# KiCad board ulx4m_panel.kicad_pcb (continued)
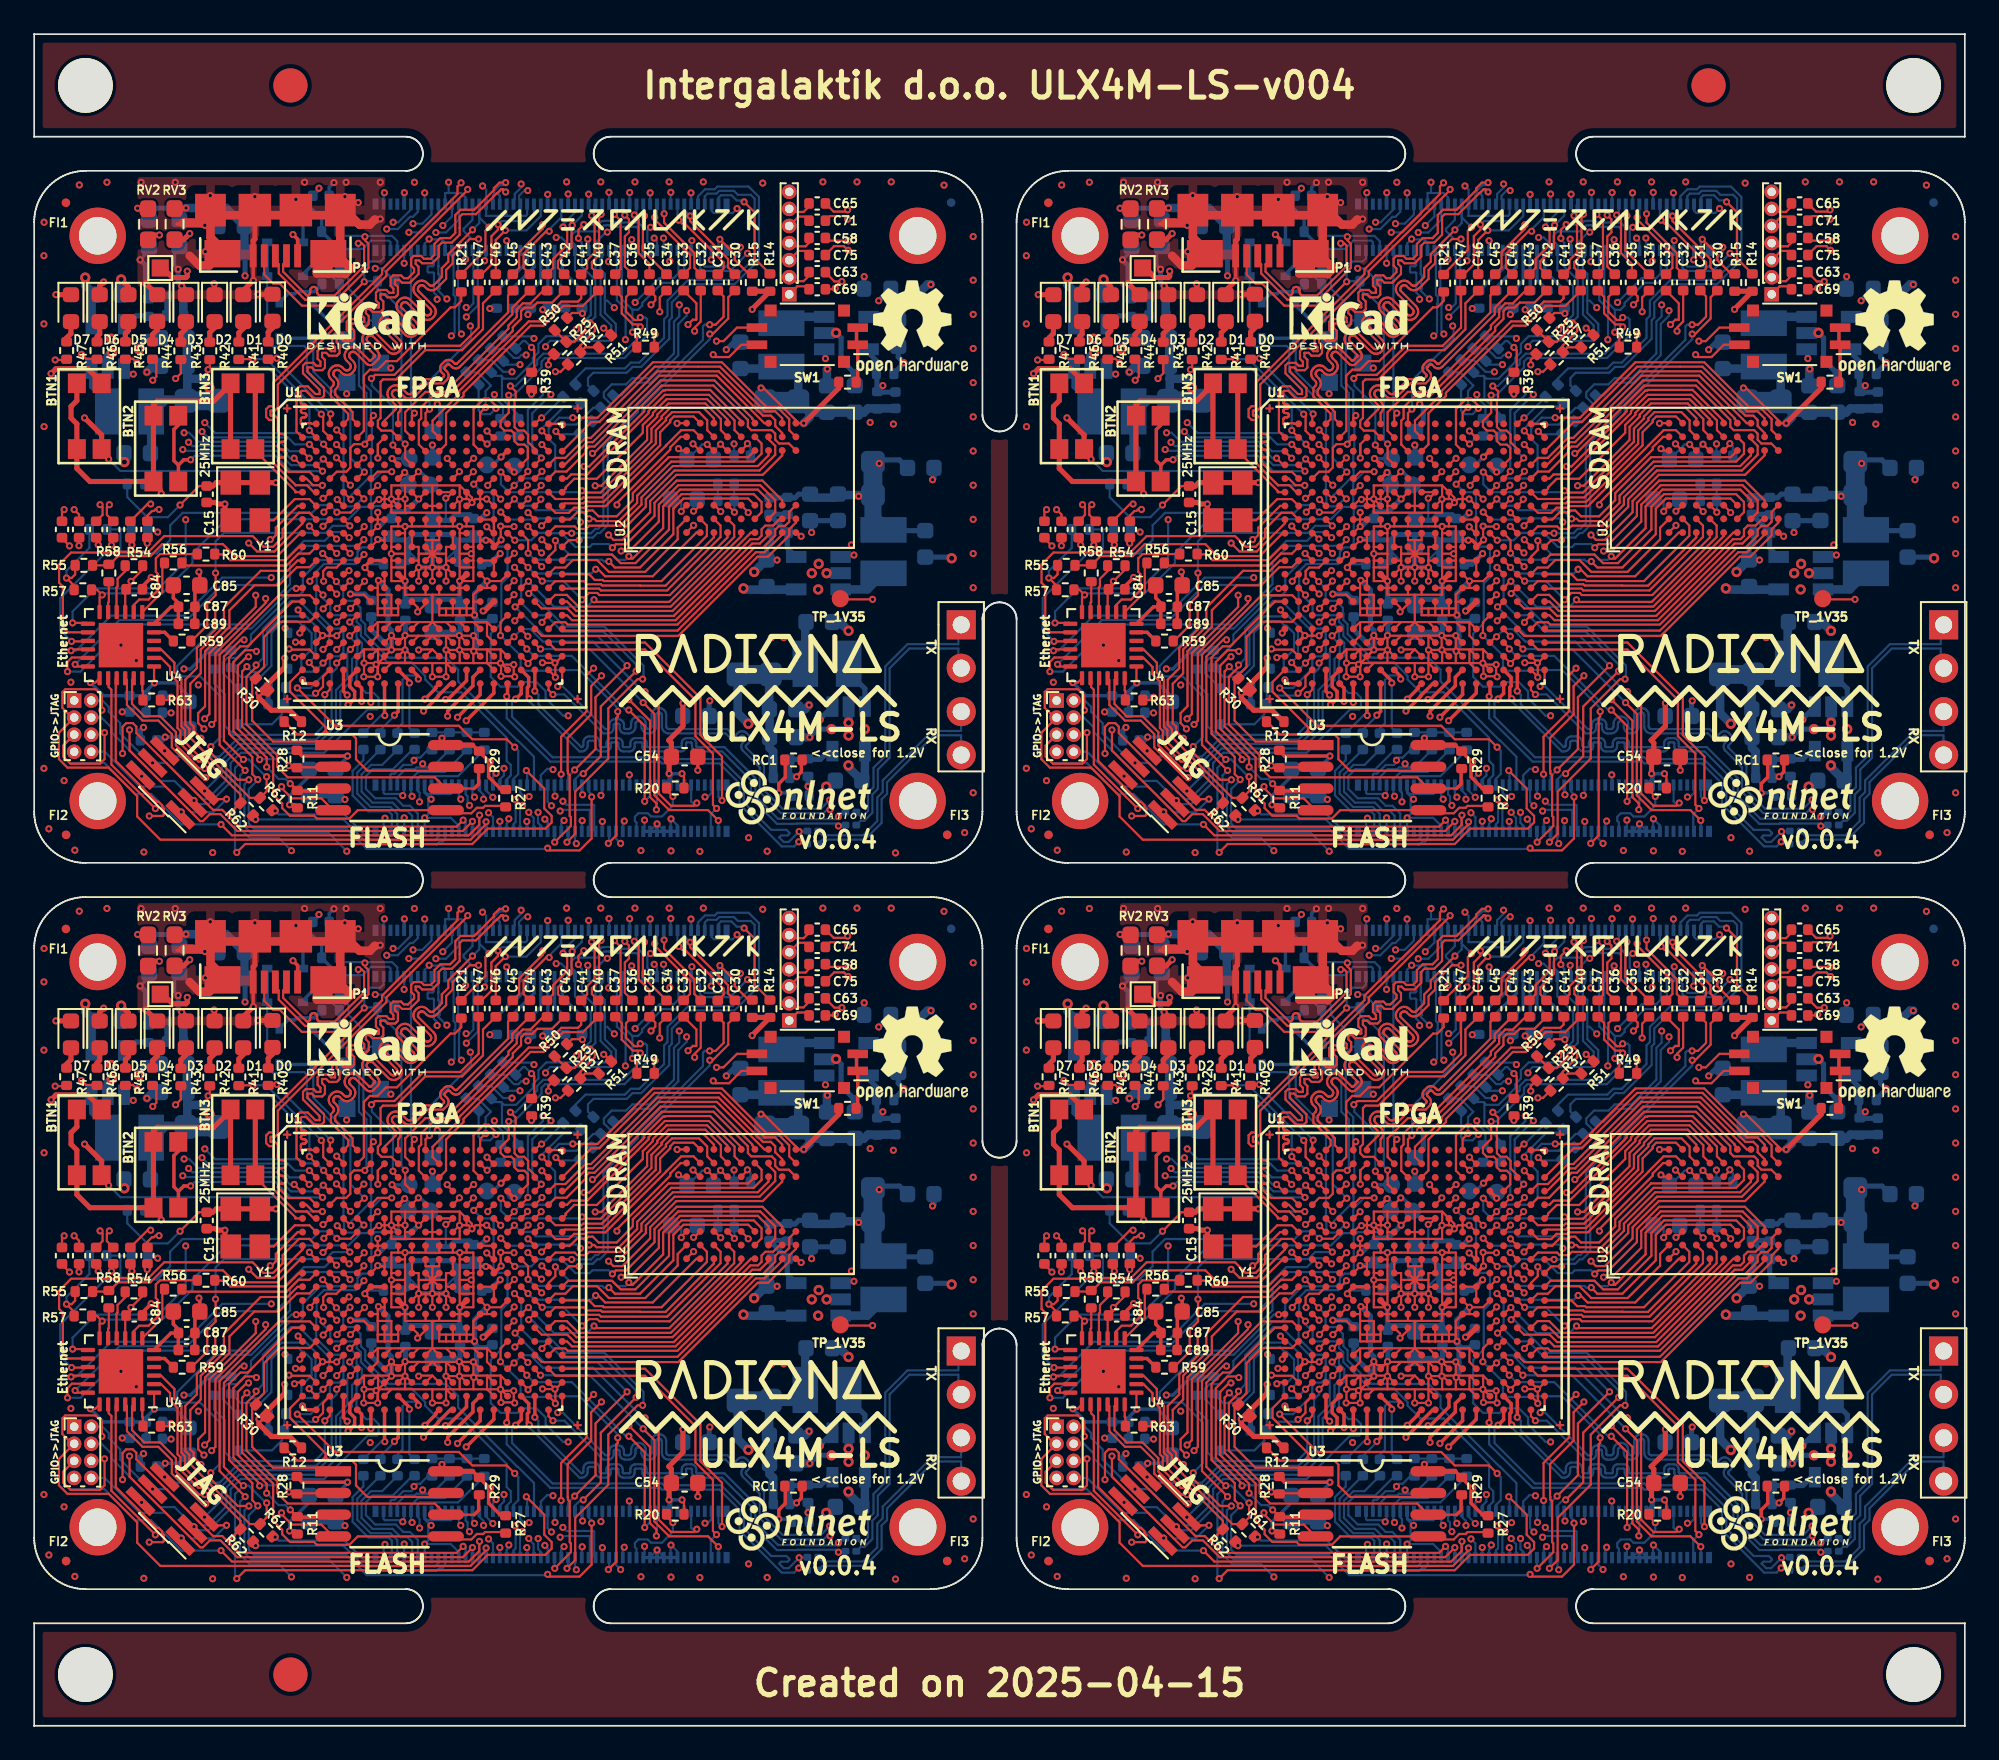
[diagram p0: board, top side]
## Placement (name value [footprint] x y rotation side) (continued)
RV2#3  0  [R_0603_1608Metric_Pad0.98x0.95mm_HandSolder]  6.67 45.38 90 top  (not fitted)
RV2#4  0  [R_0603_1608Metric_Pad0.98x0.95mm_HandSolder]  64.18 45.38 90 top  (not fitted)
RV3  0  [R_0603_1608Metric_Pad0.98x0.95mm_HandSolder]  65.73 45.39 270 top
RV3#2  0  [R_0603_1608Metric_Pad0.98x0.95mm_HandSolder]  8.22 87.89 270 top
RV3#3  0  [R_0603_1608Metric_Pad0.98x0.95mm_HandSolder]  8.22 45.39 270 top
RV3#4  0  [R_0603_1608Metric_Pad0.98x0.95mm_HandSolder]  65.73 87.89 270 top
SW1  SW_DIP_x02  [SW_DIP_SPSTx02_Slide_Copal_CVS-02xB_W5.9mm_P1mm]  45.26 38.83 180 top
SW1#2  SW_DIP_x02  [SW_DIP_SPSTx02_Slide_Copal_CVS-02xB_W5.9mm_P1mm]  102.77 38.83 180 top
SW1#3  SW_DIP_x02  [SW_DIP_SPSTx02_Slide_Copal_CVS-02xB_W5.9mm_P1mm]  102.77 81.33 180 top
SW1#4  SW_DIP_x02  [SW_DIP_SPSTx02_Slide_Copal_CVS-02xB_W5.9mm_P1mm]  45.26 81.33 180 top
TP_1V35  1V35  [Testpoint_smd_1mm]  104.7 23.42 0 top  (not fitted)
TP_1V35#2  1V35  [Testpoint_smd_1mm]  47.19 23.42 0 top  (not fitted)
TP_1V35#3  1V35  [Testpoint_smd_1mm]  104.7 65.92 0 top  (not fitted)
TP_1V35#4  1V35  [Testpoint_smd_1mm]  47.19 65.92 0 top  (not fitted)
TP_C16  C16  [Testpoint_smd_1mm]  84.01 73.85 0 bottom  (not fitted)
TP_C16#2  C16  [Testpoint_smd_1mm]  26.5 31.35 0 bottom  (not fitted)
TP_C16#3  C16  [Testpoint_smd_1mm]  26.5 73.85 0 bottom  (not fitted)
TP_C16#4  C16  [Testpoint_smd_1mm]  84.01 31.35 0 bottom  (not fitted)
TP_D8  D8  [Testpoint_smd_1mm]  79.46 74.21 0 bottom  (not fitted)
TP_D8#2  D8  [Testpoint_smd_1mm]  79.46 31.71 0 bottom  (not fitted)
TP_D8#3  D8  [Testpoint_smd_1mm]  21.95 74.21 0 bottom  (not fitted)
TP_D8#4  D8  [Testpoint_smd_1mm]  21.95 31.71 0 bottom  (not fitted)
TP_D16  D16  [Testpoint_smd_1mm]  85.62 73.78 0 bottom  (not fitted)
TP_D16#2  D16  [Testpoint_smd_1mm]  85.62 31.28 0 bottom  (not fitted)
TP_D16#3  D16  [Testpoint_smd_1mm]  28.11 31.28 0 bottom  (not fitted)
TP_D16#4  D16  [Testpoint_smd_1mm]  28.11 73.78 0 bottom  (not fitted)
TP_E8  E8  [Testpoint_smd_1mm]  79.41 72.7 0 bottom  (not fitted)
TP_E8#2  E8  [Testpoint_smd_1mm]  79.41 30.2 0 bottom  (not fitted)
TP_E8#3  E8  [Testpoint_smd_1mm]  21.9 72.7 0 bottom  (not fitted)
TP_E8#4  E8  [Testpoint_smd_1mm]  21.9 30.2 0 bottom  (not fitted)
TP_E9  E9  [Testpoint_smd_1mm]  80.68 72.68 0 bottom  (not fitted)
TP_E9#2  E9  [Testpoint_smd_1mm]  23.17 72.68 0 bottom  (not fitted)
TP_E9#3  E9  [Testpoint_smd_1mm]  80.68 30.18 0 bottom  (not fitted)
TP_E9#4  E9  [Testpoint_smd_1mm]  23.17 30.18 0 bottom  (not fitted)
U1  LFE5U-85F-6BG381C  [BGA-381_pitch0.8mm_dia0.4mm]  80.82 26.1 0 top
U1#2  LFE5U-85F-6BG381C  [BGA-381_pitch0.8mm_dia0.4mm]  23.31 68.6 0 top
U1#3  LFE5U-85F-6BG381C  [BGA-381_pitch0.8mm_dia0.4mm]  23.31 26.1 0 top
U1#4  LFE5U-85F-6BG381C  [BGA-381_pitch0.8mm_dia0.4mm]  80.82 68.6 0 top
U2  -  [IS42S16320D-6BLI]  41.39 30.54 90 top
U2#2  -  [IS42S16320D-6BLI]  41.39 73.04 90 top
U2#3  -  [IS42S16320D-6BLI]  98.9 73.04 90 top
U2#4  -  [IS42S16320D-6BLI]  98.9 30.54 90 top
U3  IS25LP128F-JBLE  [SOA008-150-208mil]  20.8 55.49 0 top
U3#2  IS25LP128F-JBLE  [SOA008-150-208mil]  78.31 55.49 0 top
U3#3  IS25LP128F-JBLE  [SOA008-150-208mil]  78.31 12.99 0 top
U3#4  IS25LP128F-JBLE  [SOA008-150-208mil]  20.8 12.99 0 top
U4  LAN8720A  [QFN-24-1EP_4x4mm_P0.5mm_EP2.6x2.6mm]  5.08 63.25 180 top
U4#2  LAN8720A  [QFN-24-1EP_4x4mm_P0.5mm_EP2.6x2.6mm]  62.59 63.25 180 top
U4#3  LAN8720A  [QFN-24-1EP_4x4mm_P0.5mm_EP2.6x2.6mm]  5.08 20.75 180 top
U4#4  LAN8720A  [QFN-24-1EP_4x4mm_P0.5mm_EP2.6x2.6mm]  62.59 20.75 180 top
U5  TLV62569DBV  [TSOT-25]  105.19 15.85 0 bottom
U5#2  TLV62569DBV  [TSOT-25]  105.19 58.35 0 bottom
U5#3  TLV62569DBV  [TSOT-25]  47.68 58.35 0 bottom
U5#4  TLV62569DBV  [TSOT-25]  47.68 15.85 0 bottom
U6  TLV62569DBV  [TSOT-25]  61.82 38.23 180 bottom
U6#2  TLV62569DBV  [TSOT-25]  4.31 38.23 180 bottom
U6#3  TLV62569DBV  [TSOT-25]  4.31 80.73 180 bottom
U6#4  TLV62569DBV  [TSOT-25]  61.82 80.73 180 bottom
U7  TLV62569DBV  [TSOT-25]  105.06 39.01 90 bottom
U7#2  TLV62569DBV  [TSOT-25]  105.06 81.51 90 bottom
U7#3  TLV62569DBV  [TSOT-25]  47.55 39.01 90 bottom
U7#4  TLV62569DBV  [TSOT-25]  47.55 81.51 90 bottom
U8  TLV62569DBV  [TSOT-25]  45.91 67.46 270 bottom  (not fitted)
U8#2  TLV62569DBV  [TSOT-25]  45.91 24.96 270 bottom  (not fitted)
U8#3  TLV62569DBV  [TSOT-25]  103.42 24.96 270 bottom  (not fitted)
U8#4  TLV62569DBV  [TSOT-25]  103.42 67.46 270 bottom  (not fitted)
Y1  FNETHE025  [Crystal_SMD_TXC_7M-4Pin_3.2x2.5mm]  12.36 29.16 270 top
Y1#2  FNETHE025  [Crystal_SMD_TXC_7M-4Pin_3.2x2.5mm]  12.36 71.66 270 top
Y1#3  FNETHE025  [Crystal_SMD_TXC_7M-4Pin_3.2x2.5mm]  69.87 29.16 270 top
Y1#4  FNETHE025  [Crystal_SMD_TXC_7M-4Pin_3.2x2.5mm]  69.87 71.66 270 top

## Library data of the parts
1.1V_1 1.1V_1#2-1.1V_1#4 C77 C77#2-C77#4 C91 C91#2-C91#4 C92 C92#2-C92#4 C93 C93#2-C93#4 C94 C94#2-C94#4 C95 C95#2-C95#4 C96 C96#2-C96#4 C97 C97#2-C97#4 C98 C98#2-C98#4 FI1 FI1#2-FI1#4 FI2 FI2#2-FI2#4 FI3 FI3#2-FI3#4 FI4 FI4#2-FI4#4 FI5 FI5#2-FI5#4 FI6 FI6#2-FI6#4 H1 H1#2-H1#4 H2 H2#2-H2#4 H3 H3#2-H3#4 J3 J3#2-J3#4 J4 J4#2-J4#4 J5 J5#2-J5#4 J6 J6#2-J6#4 RA4 RA4#2-RA4#4 TP_1V35 TP_1V35#2-TP_1V35#4 TP_C16 TP_C16#2-TP_C16#4 TP_D8 TP_D8#2-TP_D8#4 TP_D16 TP_D16#2-TP_D16#4 TP_E8 TP_E8#2-TP_E8#4 TP_E9 TP_E9#2-TP_E9#4 = -: PLACE: DNP
BTN1 BTN1#2-BTN1#4 BTN2 BTN2#2-BTN2#4 BTN3 BTN3#2-BTN3#4 = -: Datasheet: https://www.mouser.in/datasheet/2/315/PANA_S_A0001791376_1-2560543.pdf; Mouser: https://www.mouser.in/ProductDetail/Panasonic/EVP-AA302K?qs=qvwOHSmaRMmnf4H35tvzww==; DigiKey: https://www.digikey.com/en/products/detail/panasonic-electronic-components/EVP-AA302K/2810555
C1 C1#2-C1#4 = -: MPN: CC0805ZKY5V5BB226; Mouser: 81-GRM21BR61A226ME1L; Mouse_r2: 81-GRM21BR61A226ME1K; Mouse_r3: 81-GRM219R61C226ME5L; Mouse_r4: 81-GRM188C60J226ME0J; Mouse_r5: 963-LMK212BBJ226MG-T; Digikey: 1276-2413-1-ND; Digike_y2: 1276-2412-1-ND; Newark: 08P5169; LCSC: C29277; Koncar: FC004
C2 C2#2-C2#4 = -: MNF1_URL: www.yageo.com; MPN: CS0603KRX7R9BB471; Mouser: 581-06035A101JAT4A; Mouse_r1: 710-885012206081; Mouse_r2: 603-CS0603KRX79BB471; Mouse_r3: 603-CC603JRNPO9BN101; Mouse_r4: 603-CC603KRX7R9BB471; Digikey: 311-4078-1-ND; Digike_y2: 399-9086-1-ND; Newark: 38K9273; LCSC: C14665; LCS_C2: C22396; Koncar: FC006
C5 C5#2-C5#4 C9 C9#2-C9#4 = -: MPN: CC0805ZKY5V5BB226
C13 C13#2-C13#4 C14 C14#2-C14#4 C15 C15#2-C15#4 C18 C18#2-C18#4 C21 C21#2-C21#4 C26 C26#2-C26#4 C29 C29#2-C29#4 C39 C39#2-C39#4 C48 C48#2-C48#4 C49 C49#2-C49#4 C50 C50#2-C50#4 C51 C51#2-C51#4 C52 C52#2-C52#4 C53 C53#2-C53#4 C79 C79#2-C79#4 C80 C80#2-C80#4 C81 C81#2-C81#4 C82 C82#2-C82#4 = -: MPN: CX0603MRX7R8BB223
C25 C25#2-C25#4 = -: MPN: CC0603JRX7R8BB223; Mouser: 603-CC603KRX7R7BB223; Mouse_r1: 603-CC603JRX7R8BB223; Mouse_r2: 603-AC603KRX7R7BB223; Mouse_r3: 710-885012206091; price1500_Mouser: 35.7$; Digikey: 587-1238-1-ND; Digike_y2: 1276-2000-1-ND; Newark: 82AC9346; LCSC: C107137; Koncar: FC003
C27 C27#2-C27#4 C28 C28#2-C28#4 = -: MNF1_URL: www.yageo.com; MPN: CX0603MRX7R8BB223
C38 C38#2-C38#4 = -: MPN: CC0805MRX5R6BB225
C54 C54#2-C54#4 = -: MNF1_URL: www.yageo.com; MPN: CC0805MRX5R6BB225
C76 C76#2-C76#4 = -: MPN: CC0805ZKY5V5BB226; PLACE: DNP
D0 D0#2-D0#4 D4 D4#2-D4#4 = -: Datasheet: https://optoelectronics.liteon.com/upload/download/DS-22-99-0150/LTST-C170KRKT.pdf; MNF1_URL: www.liteon.com; MPN: LTST-C170KRKT; Mouser: 859-LTST-C170KRKT; Mouse_r1: 859-LTST-C171KRKT; Mouse_r2: 743-IN-S85ATR; Mouse_r3: 645-598-8110-107F; Digikey: 160-1415-1-ND; Newark: 75R0581; Newar_k2: 61AC0090; LCSC: C94868; price400_LCSC: 0.0195$; Koncar: FV007; Side: TB
D1 D1#2-D1#4 D5 D5#2-D5#4 = -: Datasheet: https://optoelectronics.liteon.com/upload/download/DS-22-99-0185/LTST-C170KFKT.pdf; MNF1_URL: www.liteon.com; MPN: LTST-C170KFKT; Mouser: 859-LTST-C170KFKT; Mouse_r1: 859-LTST-C171KFKT; Mouse_r3: 645-598-8130-107F; Digikey: 160-1413-1-ND; Newark: 75R0583; Newar_k2: 61AC0088; LCSC: C284931; price200_LCSC: 0.02075$; LowCost: LTST-C170KRKT; Koncar: FV006; Side: T
D2 D2#2-D2#4 D6 D6#2-D6#4 = -: Datasheet: http://optoelectronics.liteon.com/upload/download/DS22-2000-073/LTST-C170KGKT.pdf; MNF1_URL: www.liteon.com; MPN: LTST-C170TGKT; Mouser: 859-LTST-C170TGKT; Digikey: 160-1887-1-ND; Newark: 75R0588; LCSC: C364562; TME: LTST-C170TGKT; price300_TME: 0.0789$; LowCost: LTST-C170KRKT; Koncar: FV005; Side: T
D3 D3#2-D3#4 D7 D7#2-D7#4 = -: Datasheet: http://optoelectronics.liteon.com/upload/download/DS-22-99-0226/LTST-C170TBKT.pdf; MNF1_URL: www.liteon.com; MPN: LTST-C170TBKT; Datasheet2: http://optoelectronics.liteon.com/upload/download/ds22-2000-233/ltst-c171tbkt(0630).pdf; MP_N2: LTST-C171TBKT; Datasheet3: https://www.rohm.com/datasheet/SML-M13UT; MP_N3: SMLMN2BCTT86C; Mouser: 859-LTST-C170TBKT; Mouse_r1: 593-LSM0805463V; Mouse_r2: 755-SMLMN2BCTT86C; Mouse_r3: 859-LTST-C171TBKT; Digikey: 160-1579-1-ND; Newark: 94T2911; Newar_k2: 19J8850; LCSC: C375453; price300_LCSC: 0.02930$; LowCost: LTST-C170KRKT; Koncar: FV004; Side: T
D8 D8#2-D8#4 D9 D9#2-D9#4 = -: Datasheet: http://www.taiwansemi.com/products/datasheet/BZT52C2V4S%20SERIES_H1709.pdf; MNF1_URL: www.taiwansemi.com; MPN: BZT52C3V6S; Mouser: 833-BZT52C3V6S-TP
D28 D28#2-D28#4 = -: Note: Leave empty; EMPTY_MPN: MMDL914T1G; Mouse_r: 863-MMDL914T1G; Digike_y: 1N4148WXTPMSCT-ND; Koncar: FV001
H4 H4#2-H4#4 RP2 RP2#2-RP2#4 RP3 RP3#2-RP3#4 RP4 RP4#2-RP4#4 = -: Note: Leave empty; PLACE: DNP
J1 J1#2-J1#4 J2 J2#2-J2#4 = -: MAXIMUM_PACKAGE_HEIGHT: 1.29mm; MANUFACTURER: Hirose Electric; PARTREV: 02/2020; STANDARD: Manufacturer Recommendations
L1 L1#2-L1#4 = -: Datasheet: http://psearch.en.murata.com/inductor/product/DFE252012PD-2R2M%23.pdf; MFG1: Murata; MNF1_URL: www.murata.com; MPN: DFE322512F-2R2M=P2; MFG2: Murata; MNF2_URL: www.murata.com; MP_N2: DFE252012P-2R2M=P2; MFG3: Bourns; MNF3_URL: www.bourns.com; MP_N3: SRP2512A-2R2M; MFG4: Chilisin Elec; MP_N4: HEI322512A-2R2M-Q8; MP_N5: 81-LQH32PB2R2NN0L; Mouser: 81-DFE322512F-2R2MP2; Mouse_r1: 710-74479299222; Mouse_r2: 810-TFM322512ALMA2R2; Mouse_r3: 81-DFE322520FD2R2MP2; Digikey: 445-TFM322512ALMA2R2MTAACT-ND; Digike_y1: 490-18405-1-ND; Digike_y2: 490-10649-1-ND; Newark: 57AC6667; Vertical: DFE322512F-2R2M=P2; price300_Vertical: 0.48360$; LCSC: C285758; LCS_C2: C285914; price300_LCSC: 0.1082$; DatasheetLC: https://datasheet.octopart.com/LQH32PB2R2NN0L-Murata-datasheet-20916646.pdf; LowCost: 81-DFE252012P-2R2MP2; Koncar: FL001
L2 L2#2-L2#4 L3 L3#2-L3#4 = -: Datasheet: http://psearch.en.murata.com/inductor/product/DFE252012PD-2R2M%23.pdf
L4 L4#2-L4#4 = -: Datasheet: http://psearch.en.murata.com/inductor/product/DFE252012PD-2R2M%23.pdf; PLACE: DNP
R11 R11#2-R11#4 = -: MNF1_URL: www.yageo.com; MPN: RC0603FR-0710KL; Mouser: 603-RC0603FR-0710KL; Digikey: 311-10KLMCT-ND; Newark: 94X1379; LCSC: C15401; Koncar: FR013
R30 R30#2-R30#4 = -: MNF1_URL: www.yageo.com; MPN: AC0603FR-104K7L
R61 R61#2-R61#4 R62 R62#2-R62#4 = -: Manufacturer: BOURNS; MPN: CR0402-FX-1001GLF
R64 R64#2-R64#4 R65 R65#2-R65#4 R66 R66#2-R66#4 R67 R67#2-R67#4 = -: Manufacturer: BOURNS; MPN: CR0402-FX-1001GLF; Val: 75
RA1 RA1#2-RA1#4 = -: MNF1_URL: www.yageo.com; MPN: RC0603FR-1015KL
RB1 RB1#2-RB1#4 RC2 RC2#2-RC2#4 = -: MNF1_URL: www.yageo.com; MPN: RC0603FR-1018KL; Mouser: 71-CRCW060318K0FKEAC; Digikey: 311-18.0KHRCT-ND; Newark: 94X1474; LCSC: C425614; Koncar: FR006
RB2 RB2#2-RB2#4 = -: MPN: AC0603FR-104K7L
RB3 RB3#2-RB3#4 = -: MNF1_URL: www.yageo.com; MPN: RT0603FRE073K3L; Mouser: 603-RC0603FR-073K3L; Mouse_r2: 603-RC0603FR-103K3L; Digikey: YAG3605CT-ND; Newark: 94X1577; LCSC: C425629; Koncar: FR009
RB4 RB4#2-RB4#4 = -: MNF1_URL: www.yageo.com; MPN: RT0603FRE073K3L; Mouser: 603-RC0603FR-073K3L; Mouse_r2: 603-RC0603FR-103K3L; Digikey: YAG3605CT-ND; Newark: 94X1577; LCSC: C425629; Koncar: FR009; PLACE: DNP
RC1 RC1#2-RC1#4 = -: MNF1_URL: www.yageo.com; MPN: RC0603FR-1018KL; Mouser: 71-CRCW060318K0FKEAC; Digikey: 311-18.0KHRCT-ND; Newark: 94X1474; LCSC: C425614; Koncar: FR006; PLACE: DNP
RP1 RP1#2-RP1#4 = -: Mouser_URL: www.mouser.com; MNF1_URL: www.yageo.com; EMPTY_MPN: RC0805JR-070RL; Mouse_r1: 71-RCG08050000Z0EA; Mouse_r2: 603-RC0805JR-070RL; Mouse_r3: 652-CR0805-J/-000ELF; Digike_y1: YAG1327CT-ND; Note: Leave empty; PLACE: DNP
RV2 RV2#2-RV2#4 = -: MNF1_URL: www.yageo.com; EMPTY_MPN: RC0805JR-070RL; Note: Leave empty; PLACE: DNP
RV3 RV3#2-RV3#4 = -: MNF1_URL: www.yageo.com; MPN: RC0805JR-070RL; Mouser: 71-RCG08050000Z0EA; Digikey: YAG1327CT-ND; Newark: 74AC1409; LCSC: C112378; Koncar: FR014; Side: T
U1 U1#2-U1#4 = -: Datasheet: http://www.latticesemi.com/~/media/LatticeSemi/Documents/DataSheets/ECP5/FPGA-DS-02012.pdf; MNF1_URL: www.latticesemi.com; Mouser_URL: www.mouser.com; MFG1: Lattice; MFG2: Lattice; MNF2_URL: www.latticesemi.com; MP_N2: LFE5U-12F-6BG381C; Mouser: 842-LFE5U85F6BG381C; price100_Mouse: 22.82$; Digikey: 220-2177-ND; Digike_y2: 220-2071-ND; LCSC: C446029; LowCost: 842-LFE5U12F6BG381C; Koncar: FU004; Side: T
U3 U3#2-U3#4 = -: Datasheet: http://www.issi.com/WW/pdf/25LP-WP128F.pdf; MNF1_URL: www.issi.com; MNF2_URL: www.issi.com; Datasheet2: http://www.issi.com/WW/pdf/25LP-WP032D.pdf; MPN2: IS25LP032D-JNLE-TR; MNF3_URL: www.issi.com; MPN3: IS25LP032D-JNLA3; Dtasheet4: https://www.winbond.com/resource-files/w25q128jv%20spi%20revc%2011162016.pdf; MNF4_URL: www.winbond.com; MPN4: W25Q128JVSIM; Mouser: 727-S25FL128LAMFV013; Mouse_r2: 454-W25Q128JVSIMTR; Mouse_r3: 454-W25Q128JVSIQTR; Digikey: W25Q128JVSIQCT-ND; Digike_y2: IS25LP128F-JBLE-ND; Digike_y3: 706-1607-1-ND; Newark: 38AC3510; LCSC: C113767; price100_LCSC: 0.7796$; LowCost: 870-IS25LP032DJBLETR; Koncar: FU003
U4 U4#2-U4#4 = -: Datasheet: http://ww1.microchip.com/downloads/en/DeviceDoc/8720a.pdf
U5 U5#2-U5#4 = -: Datasheet: http://www.ti.com/lit/ds/symlink/tlv62569.pdf; MFG1: TI; MNF1_URL: www.ti.com; MPN: TLV62569DBVR; MFG2: DIOO; MNF2_URL: www.dioo.com; MPN2: DIO6015BCST5; Mouse_r1: 595-TLV62569DBVR; Mouser: 595-TLV62569DBVT; Mouse_r3: 453-DIO6015BCST5; Mouse_r4: 595-TLV62565DBVR; Digikey: 296-47360-1-ND; Newark: 54AH1585; LCSC: C141836; price100_LCSC: 0.1843$; DatasheetLC: http://www.dioo.com/attachments/files/20161031180022_361.pdf; LowCost: 453-DIO6015BCST5; Koncar: FU009
U6 U6#2-U6#4 U7 U7#2-U7#4 = -: Datasheet: http://www.ti.com/lit/ds/symlink/tlv62569.pdf; MNF1_URL: www.ti.com; MPN: TLV62569DBVR; Mouser: 595-TLV62569DBVR
U8 U8#2-U8#4 = -: Datasheet: http://www.ti.com/lit/ds/symlink/tlv62569.pdf; MNF1_URL: www.ti.com; MPN: TLV62569DBVR; Mouser: 595-TLV62569DBVR; PLACE: DNP
Y1 Y1#2-Y1#4 = -: Datasheet: https://www.diodes.com/assets/Datasheets/FNETHE025.pdf; MNF1_URL: www.diodes.com; MPN2: SiT8008BC-81-33E-25.000000X; MNF3_URL: https://datasheet.lcsc.com/szlcsc/1912111437_Shenzhen-SCTF-Elec-S7D25-000000D20F30T_C387026.pdf; MPN3: S7D25.000000D20F30T; Mouser: 729-FNETHE025; Mouse_r2: 788-8008BC8133E25X; Digikey: FNETHE025CT-ND; Newark: 80AC8624; LCSC: C390569; price100_Digikey: 0.7942$; Koncar: FQ001; Side: T

## Footprints (pads in the part's own frame, mm; a bottom-side part is the same pattern mirrored in y, then rotated)
BGA-381_pitch0.8mm_dia0.4mm
  round 0.4 smd: A2(-6.8,7.6) A3(-6,7.6) A4(-5.2,7.6) A5(-4.4,7.6) A6(-3.6,7.6) A7(-2.8,7.6) A8(-2,7.6) A9(-1.2,7.6) A10(-0.4,7.6) A11(0.4,7.6) A12(1.2,7.6) A13(2,7.6) A14(2.8,7.6) A15(3.6,7.6) A16(4.4,7.6) A17(5.2,7.6) A18(6,7.6) A19(6.8,7.6) B1(-7.6,6.8) B2(-6.8,6.8) B3(-6,6.8) B4(-5.2,6.8) B5(-4.4,6.8) B6(-3.6,6.8) B7(-2.8,6.8) B8(-2,6.8) B9(-1.2,6.8) B10(-0.4,6.8) B11(0.4,6.8) B12(1.2,6.8) B13(2,6.8) B14(2.8,6.8) B15(3.6,6.8) B16(4.4,6.8) B17(5.2,6.8) B18(6,6.8) B19(6.8,6.8) B20(7.6,6.8) C1(-7.6,6) C2(-6.8,6) C3(-6,6) C4(-5.2,6) C5(-4.4,6) C6(-3.6,6) C7(-2.8,6) C8(-2,6) C9(-1.2,6) C10(-0.4,6) C11(0.4,6) C12(1.2,6) C13(2,6) C14(2.8,6) C15(3.6,6) C16(4.4,6) C17(5.2,6) C18(6,6) C19(6.8,6) C20(7.6,6) D1(-7.6,5.2) D2(-6.8,5.2) D3(-6,5.2) D4(-5.2,5.2) D5(-4.4,5.2) D6(-3.6,5.2) D7(-2.8,5.2) D8(-2,5.2) D9(-1.2,5.2) D10(-0.4,5.2) D11(0.4,5.2) D12(1.2,5.2) D13(2,5.2) D14(2.8,5.2) D15(3.6,5.2) D16(4.4,5.2) D17(5.2,5.2) D18(6,5.2) D19(6.8,5.2) D20(7.6,5.2) E1(-7.6,4.4) E2(-6.8,4.4) E3(-6,4.4) E4(-5.2,4.4) E5(-4.4,4.4) E6(-3.6,4.4) E7(-2.8,4.4) E8(-2,4.4) E9(-1.2,4.4) E10(-0.4,4.4) E11(0.4,4.4) E12(1.2,4.4) E13(2,4.4) E14(2.8,4.4) E15(3.6,4.4) E16(4.4,4.4) E17(5.2,4.4) E18(6,4.4) E19(6.8,4.4) E20(7.6,4.4) F1(-7.6,3.6) F2(-6.8,3.6) F3(-6,3.6) F4(-5.2,3.6) F5(-4.4,3.6) F6(-3.6,3.6) F7(-2.8,3.6) F8(-2,3.6) F9(-1.2,3.6) F10(-0.4,3.6) F11(0.4,3.6) F12(1.2,3.6) F13(2,3.6) F14(2.8,3.6) F15(3.6,3.6) F16(4.4,3.6) F17(5.2,3.6) F18(6,3.6) F19(6.8,3.6) F20(7.6,3.6) G1(-7.6,2.8) G2(-6.8,2.8) G3(-6,2.8) G4(-5.2,2.8) G5(-4.4,2.8) G6(-3.6,2.8) G7(-2.8,2.8) G8(-2,2.8) G9(-1.2,2.8) G10(-0.4,2.8) G11(0.4,2.8) G12(1.2,2.8) G13(2,2.8) G14(2.8,2.8) G15(3.6,2.8) G16(4.4,2.8) G17(5.2,2.8) G18(6,2.8) G19(6.8,2.8) G20(7.6,2.8) H1(-7.6,2) H2(-6.8,2) H3(-6,2) H4(-5.2,2) H5(-4.4,2) H6(-3.6,2) H7(-2.8,2) H8(-2,2) H9(-1.2,2) H10(-0.4,2) H11(0.4,2) H12(1.2,2) H13(2,2) H14(2.8,2) H15(3.6,2) H16(4.4,2) H17(5.2,2) H18(6,2) H19(6.8,2) H20(7.6,2) J1(-7.6,1.2) J2(-6.8,1.2) J3(-6,1.2) J4(-5.2,1.2) J5(-4.4,1.2) J6(-3.6,1.2) J7(-2.8,1.2) J8(-2,1.2) J9(-1.2,1.2) J10(-0.4,1.2) J11(0.4,1.2) J12(1.2,1.2) J13(2,1.2) J14(2.8,1.2) J15(3.6,1.2) J16(4.4,1.2) J17(5.2,1.2) J18(6,1.2) J19(6.8,1.2) J20(7.6,1.2) K1(-7.6,0.4) K2(-6.8,0.4) K3(-6,0.4) K4(-5.2,0.4) K5(-4.4,0.4) K6(-3.6,0.4) K7(-2.8,0.4) K8(-2,0.4) K9(-1.2,0.4) K10(-0.4,0.4) K11(0.4,0.4) K12(1.2,0.4) K13(2,0.4) K14(2.8,0.4) K15(3.6,0.4) K16(4.4,0.4) K17(5.2,0.4) K18(6,0.4) K19(6.8,0.4) K20(7.6,0.4) L1(-7.6,-0.4) L2(-6.8,-0.4) L3(-6,-0.4) L4(-5.2,-0.4) L5(-4.4,-0.4) L6(-3.6,-0.4) L7(-2.8,-0.4) L8(-2,-0.4) L9(-1.2,-0.4) L10(-0.4,-0.4) L11(0.4,-0.4) L12(1.2,-0.4) L13(2,-0.4) L14(2.8,-0.4) L15(3.6,-0.4) L16(4.4,-0.4) L17(5.2,-0.4) L18(6,-0.4) L19(6.8,-0.4) L20(7.6,-0.4) M1(-7.6,-1.2) M2(-6.8,-1.2) M3(-6,-1.2) M4(-5.2,-1.2) M5(-4.4,-1.2) M6(-3.6,-1.2) M7(-2.8,-1.2) M8(-2,-1.2) M9(-1.2,-1.2) M10(-0.4,-1.2) M11(0.4,-1.2) M12(1.2,-1.2) M13(2,-1.2) M14(2.8,-1.2) M15(3.6,-1.2) M16(4.4,-1.2) M17(5.2,-1.2) M18(6,-1.2) M19(6.8,-1.2) M20(7.6,-1.2) N1(-7.6,-2) N2(-6.8,-2) N3(-6,-2) N4(-5.2,-2) N5(-4.4,-2) N6(-3.6,-2) N7(-2.8,-2) N8(-2,-2) N9(-1.2,-2) N10(-0.4,-2) N11(0.4,-2) N12(1.2,-2) N13(2,-2) N14(2.8,-2) N15(3.6,-2) N16(4.4,-2) N17(5.2,-2) N18(6,-2) N19(6.8,-2) N20(7.6,-2) P1(-7.6,-2.8) P2(-6.8,-2.8) P3(-6,-2.8) P4(-5.2,-2.8) P5(-4.4,-2.8) P6(-3.6,-2.8) P7(-2.8,-2.8) P8(-2,-2.8) P9(-1.2,-2.8) P10(-0.4,-2.8) P11(0.4,-2.8) P12(1.2,-2.8) P13(2,-2.8) P14(2.8,-2.8) P15(3.6,-2.8) P16(4.4,-2.8) P17(5.2,-2.8) P18(6,-2.8) P19(6.8,-2.8) P20(7.6,-2.8) R1(-7.6,-3.6) R2(-6.8,-3.6) R3(-6,-3.6) R4(-5.2,-3.6) R5(-4.4,-3.6) R16(4.4,-3.6) R17(5.2,-3.6) R18(6,-3.6) R19(6.8,-3.6) R20(7.6,-3.6) T1(-7.6,-4.4) T2(-6.8,-4.4) T3(-6,-4.4) T4(-5.2,-4.4) T5(-4.4,-4.4) T6(-3.6,-4.4) T7(-2.8,-4.4) T8(-2,-4.4) T9(-1.2,-4.4) T10(-0.4,-4.4) T11(0.4,-4.4) T12(1.2,-4.4) T13(2,-4.4) T14(2.8,-4.4) T15(3.6,-4.4) T16(4.4,-4.4) T17(5.2,-4.4) T18(6,-4.4) T19(6.8,-4.4) T20(7.6,-4.4) U1(-7.6,-5.2) U2(-6.8,-5.2) U3(-6,-5.2) U4(-5.2,-5.2) U5(-4.4,-5.2) U6(-3.6,-5.2) U7(-2.8,-5.2) U8(-2,-5.2) U9(-1.2,-5.2) U10(-0.4,-5.2) U11(0.4,-5.2) U12(1.2,-5.2) U13(2,-5.2) U14(2.8,-5.2) U15(3.6,-5.2) U16(4.4,-5.2) U17(5.2,-5.2) U18(6,-5.2) U19(6.8,-5.2) U20(7.6,-5.2) V1(-7.6,-6) V2(-6.8,-6) V3(-6,-6) V4(-5.2,-6) V5(-4.4,-6) V6(-3.6,-6) V7(-2.8,-6) V8(-2,-6) V9(-1.2,-6) V10(-0.4,-6) V11(0.4,-6) V12(1.2,-6) V13(2,-6) V14(2.8,-6) V15(3.6,-6) V16(4.4,-6) V17(5.2,-6) V18(6,-6) V19(6.8,-6) V20(7.6,-6) W1(-7.6,-6.8) W2(-6.8,-6.8) W3(-6,-6.8) W4(-5.2,-6.8) W5(-4.4,-6.8) W6(-3.6,-6.8) W7(-2.8,-6.8) W8(-2,-6.8) W9(-1.2,-6.8) W10(-0.4,-6.8) W11(0.4,-6.8) W12(1.2,-6.8) W13(2,-6.8) W14(2.8,-6.8) W15(3.6,-6.8) W16(4.4,-6.8) W17(5.2,-6.8) W18(6,-6.8) W19(6.8,-6.8) W20(7.6,-6.8) Y2(-6.8,-7.6) Y3(-6,-7.6) Y5(-4.4,-7.6) Y6(-3.6,-7.6) Y7(-2.8,-7.6) Y8(-2,-7.6) Y11(0.4,-7.6) Y12(1.2,-7.6) Y14(2.8,-7.6) Y15(3.6,-7.6) Y16(4.4,-7.6) Y17(5.2,-7.6) Y19(6.8,-7.6)
  oval 0.127x0.508 smd: X(-8.5,8.5) X(-8.5,-8.5) X(8.5,8.5) X(8.5,-8.5)
  oval 0.508x0.127 smd: X(-8.5,8.5) X(-8.5,-8.5) X(8.5,8.5) X(8.5,-8.5)
C_0201_0603Metric
  rrect 0.318x0.36 smd: (-0.345,0) (0.345,0)
  rrect 0.46x0.4 smd: 1(-0.32,0) 2(0.32,0)
C_0402_1005Metric
  rrect 0.56x0.62 smd: 1(-0.48,0) 2(0.48,0)
C_0603_1608Metric
  rrect 0.9x0.95 smd: 1(-0.775,0) 2(0.775,0)
Crystal_SMD_TXC_7M-4Pin_3.2x2.5mm
  rect 1.4x1.2 smd: 1(-1.1,-0.85) 2(1.1,-0.85) 3(1.1,0.85) 4(-1.1,0.85)
D_SOD-323
  rrect 0.6x0.45 smd: 1(-1.05,0) 2(1.05,0)
D_SOD-323#2
  rect 0.6x0.45 smd: 1(-1.05,0) 2(1.05,0)
D_SOD-323_HandSoldering
  rect 1x1 smd: 1(-1.25,0) 2(1.25,0)
Fiducial
  round 2 smd: (0,0)
Fiducial_0.5mm_Mask1mm
  round 0.5 smd: (0,0)
HRS_DF40C-100DP-0.4V(51)
  rect 0.23x0.66 smd: 1(-9.8,1.355) 2(-9.8,-1.355) 3(-9.4,1.355) 4(-9.4,-1.355) 5(-9,1.355) 6(-9,-1.355) 7(-8.6,1.355) 8(-8.6,-1.355) 9(-8.2,1.355) 10(-8.2,-1.355) 11(-7.8,1.355) 12(-7.8,-1.355) 13(-7.4,1.355) 14(-7.4,-1.355) 15(-7,1.355) 16(-7,-1.355) 17(-6.6,1.355) 18(-6.6,-1.355) 19(-6.2,1.355) 20(-6.2,-1.355) 21(-5.8,1.355) 22(-5.8,-1.355) 23(-5.4,1.355) 24(-5.4,-1.355) 25(-5,1.355) 26(-5,-1.355) 27(-4.6,1.355) 28(-4.6,-1.355) 29(-4.2,1.355) 30(-4.2,-1.355) 31(-3.8,1.355) 32(-3.8,-1.355) 33(-3.4,1.355) 34(-3.4,-1.355) 35(-3,1.355) 36(-3,-1.355) 37(-2.6,1.355) 38(-2.6,-1.355) 39(-2.2,1.355) 40(-2.2,-1.355) 41(-1.8,1.355) 42(-1.8,-1.355) 43(-1.4,1.355) 44(-1.4,-1.355) 45(-1,1.355) 46(-1,-1.355) 47(-0.6,1.355) 48(-0.6,-1.355) 49(-0.2,1.355) 50(-0.2,-1.355) 51(0.2,1.355) 52(0.2,-1.355) 53(0.6,1.355) 54(0.6,-1.355) 55(1,1.355) 56(1,-1.355) 57(1.4,1.355) 58(1.4,-1.355) 59(1.8,1.355) 60(1.8,-1.355) 61(2.2,1.355) 62(2.2,-1.355) 63(2.6,1.355) 64(2.6,-1.355) 65(3,1.355) 66(3,-1.355) 67(3.4,1.355) 68(3.4,-1.355) 69(3.8,1.355) 70(3.8,-1.355) 71(4.2,1.355) 72(4.2,-1.355) 73(4.6,1.355) 74(4.6,-1.355) 75(5,1.355) 76(5,-1.355) 77(5.4,1.355) 78(5.4,-1.355) 79(5.8,1.355) 80(5.8,-1.355) 81(6.2,1.355) 82(6.2,-1.355) 83(6.6,1.355) 84(6.6,-1.355) 85(7,1.355) 86(7,-1.355) 87(7.4,1.355) 88(7.4,-1.355) 89(7.8,1.355) 90(7.8,-1.355) 91(8.2,1.355) 92(8.2,-1.355) 93(8.6,1.355) 94(8.6,-1.355) 95(9,1.355) 96(9,-1.355) 97(9.4,1.355) 98(9.4,-1.355) 99(9.8,1.355) 100(9.8,-1.355)
  rect 0.35x0.66 smd: S1(-10.275,1.355) S2(-10.275,-1.355) S3(10.275,1.355) S4(10.275,-1.355)
IS42S16320D-6BLI
  round 0.4 smd: A1(-3.2,3.2) A2(-2.4,3.2) A3(-1.6,3.2) A7(1.6,3.2) A8(2.4,3.2) A9(3.2,3.2) B1(-3.2,2.4) B2(-2.4,2.4) B3(-1.6,2.4) B7(1.6,2.4) B8(2.4,2.4) B9(3.2,2.4) C1(-3.2,1.6) C2(-2.4,1.6) C3(-1.6,1.6) C7(1.6,1.6) C8(2.4,1.6) C9(3.2,1.6) D1(-3.2,0.8) D2(-2.4,0.8) D3(-1.6,0.8) D7(1.6,0.8) D8(2.4,0.8) D9(3.2,0.8) E1(-3.2,0) E2(-2.4,0) E3(-1.6,0) E7(1.6,0) E8(2.4,0) E9(3.2,0) F1(-3.2,-0.8) F2(-2.4,-0.8) F3(-1.6,-0.8) F7(1.6,-0.8) F8(2.4,-0.8) F9(3.2,-0.8) G1(-3.2,-1.6) G2(-2.4,-1.6) G3(-1.6,-1.6) G7(1.6,-1.6) G8(2.4,-1.6) G9(3.2,-1.6) H1(-3.2,-2.4) H2(-2.4,-2.4) H3(-1.6,-2.4) H7(1.6,-2.4) H8(2.4,-2.4) H9(3.2,-2.4) J1(-3.2,-3.2) J2(-2.4,-3.2) J3(-1.6,-3.2) J7(1.6,-3.2) J8(2.4,-3.2) J9(3.2,-3.2)
L_0603_1608Metric
  rrect 0.875x0.95 smd: 1(-0.787,0) 2(0.787,0)
L_1008_1210
  rect 1.5x2.7 smd: 1(-1.27,0) 2(1.27,0)
LED_0603_1608Metric
  rrect 0.875x0.95 smd: 1(-0.787,0) 2(0.787,0)
MountingHole_3.2mm_M3_ISO14580_Pad
  round 3.3 hole 2.2: 1(0,0)
NPTH
  round 3.2 hole 3.2 unplated: (0,0)
PinHeader_1x04_P2.54mm_Vertical
  rect 1.7x1.7 hole 1: 1(0,0)
  oval 1.7x1.7 hole 1: 2(0,-2.54) 3(0,-5.08) 4(0,-7.62)
PinHeader_1x07_P1.00mm_Vertical
  rect 0.85x0.85 hole 0.5: 1(0,0)
  oval 0.85x0.85 hole 0.5: 2(0,-1) 3(0,-2) 4(0,-3) 5(0,-4) 6(0,-5) 7(0,-6)
PinHeader_2x03_P1.00mm_Vertical_SMD
  rect 2x0.5 smd: 1(-1.65,1) 2(1.65,1) 3(-1.65,0) 4(1.65,0) 5(-1.65,-1) 6(1.65,-1)
PinHeader_2x04_P1.00mm_Vertical
  rect 0.85x0.85 hole 0.5: 1(0,0)
  oval 0.85x0.85 hole 0.5: 2(1,0) 3(0,-1) 4(1,-1) 5(0,-2) 6(1,-2) 7(0,-3) 8(1,-3)
QFN-24-1EP_4x4mm_P0.5mm_EP2.6x2.6mm
  rrect 1.05x1.05 smd: (-0.65,0.65) (-0.65,-0.65) (0.65,0.65) (0.65,-0.65)
  rrect 0.825x0.25 smd: 1(-1.938,1.25) 2(-1.938,0.75) 3(-1.938,0.25) 4(-1.938,-0.25) 5(-1.938,-0.75) 6(-1.938,-1.25) 13(1.938,-1.25) 14(1.938,-0.75) 15(1.938,-0.25) 16(1.938,0.25) 17(1.938,0.75) 18(1.938,1.25)
  rrect 0.25x0.825 smd: 7(-1.25,-1.938) 8(-0.75,-1.938) 9(-0.25,-1.938) 10(0.25,-1.938) 11(0.75,-1.938) 12(1.25,-1.938) 19(1.25,1.938) 20(0.75,1.938) 21(0.25,1.938) 22(-0.25,1.938) 23(-0.75,1.938) 24(-1.25,1.938)
  rect 2.6x2.6 smd: 25(0,0)
R_0402_1005Metric
  rrect 0.54x0.64 smd: 1(-0.51,0) 2(0.51,0)
R_0603_1608Metric_Pad0.98x0.95mm_HandSolder
  rrect 0.975x0.95 smd: 1(-0.912,0) 2(0.912,0)
R_0805_2012Metric_Pad1.29x1.40mm_HandSolder_Jumper_NC